# Altium PCB STM32MP15XXAC_1DDR3Lx16_A01.PcbDoc (part 2 of 3)
Units mm, origin at the board's own origin, x right, y up, seen from the top; angles counter-clockwise.
Board outline 89 x 120 mm, 4 copper layers (Top Layer, Signal Layer 1, Signal Layer 2, Bottom Layer), stack 1.571 mm thick; 133 components, 92 nets, 915 pads, 400 vias.
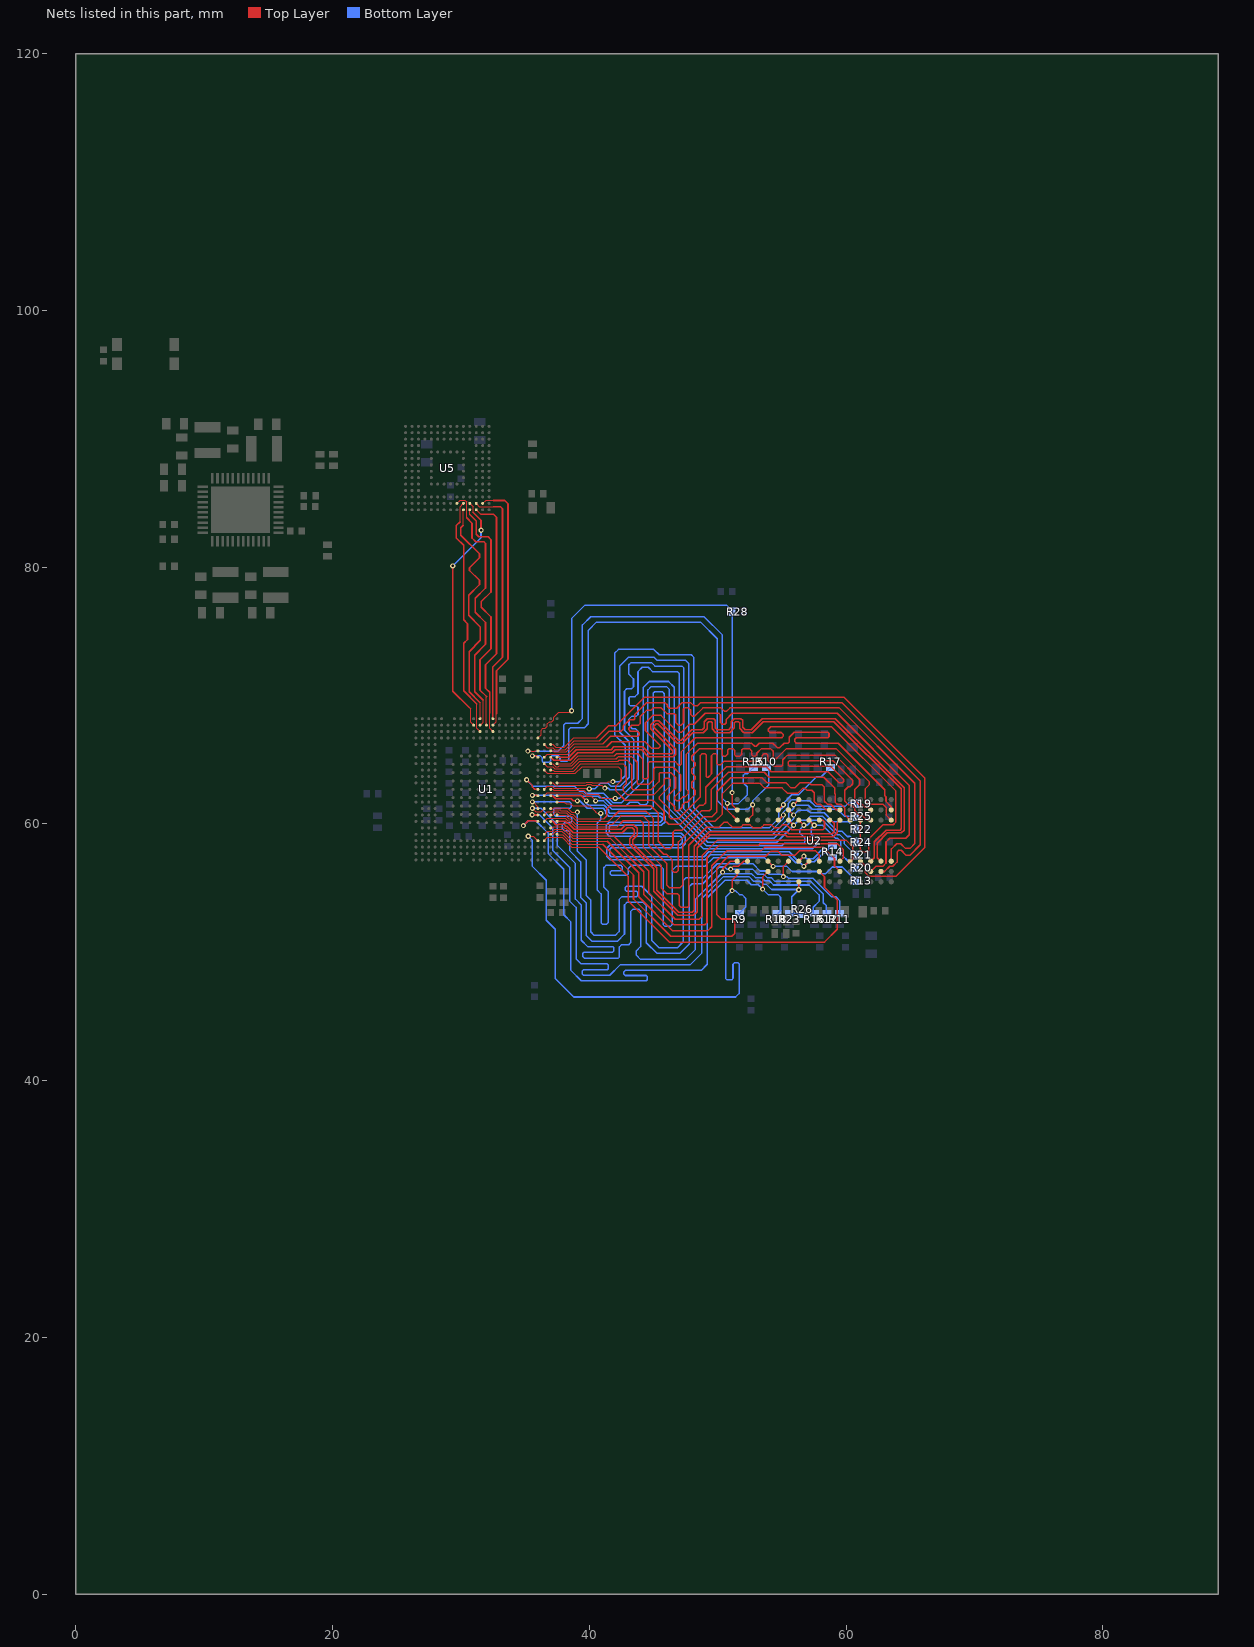
[diagram p4: the nets of this part, all layers, seen from the top]

## Via types
v1: diameter 0.4, hole 0.2, Top Layer to Bottom Layer, tented both sides, 241 vias
v2: diameter 0.6, hole 0.3, Top Layer to Bottom Layer, tented both sides, 81 vias
v3: diameter 0.25, hole 0.1, Top Layer to Signal Layer 1, tented top, 72 vias
v4: diameter 0.25, hole 0.1, Top Layer to Signal Layer 1, tented both sides, 6 vias

## Nets (pads, with @x,y where several pads share a name; then routed paths per layer and width w, separated by ;. In a path a pad name is that pad's centre, name@x,y a point inside that pad or via, vN(x,y) a via of type N, cw(c..) or ccw(c..) an arc to the next point about the centre after c; other vN are vias at no path point) (continued)
DDR_A8: R9.1 U1.Y20 U2.T8 | length 44.1
  Top Layer w0.09: v1(35.25,59.05) 35.65,59.05 U1.Y20@36,58.7
  Top Layer w0.12: v1(51.135,54.81) 51.135,55.634 51.525,56.024 U2.T8@51.525,56.3
  Bottom Layer w0.12: v1(35.25,59.05) 35.55,58.75 35.55,56.725 36.65,55.625 36.65,52.5 37.35,51.8 37.35,47.975 38.8,46.525 51.4,46.525 51.675,46.8 51.675,49.1 51.575,49.2 51.325,49.2 51.2,49.075 51.2,47.975 51.1,47.875 50.725,47.875 50.625,47.975 50.625,54.3 51.045,54.72 v1(51.135,54.81) 51.39,54.81 51.7,54.5 51.9,54.5 52.2,54.2 52.2,53.54 R9.1@51.705,53.045 R9.1@51.555,53.195
DDR_A9: R10.1 U1.G20 U2.R3 | length 47.2
  Top Layer w0.12: v1(35.575,65.3) 35.9,65.3 U1.G20@36,65.2 ; U2.R3@52.325,60.3 52.725,60.7 v1(52.725,61.5)
  Bottom Layer w0.12: v1(35.575,65.3) 36.2,65.3 36.325,65.175 36.325,64.9 36.4,64.825 36.9,64.825 37,64.925 37,65.225 37.1,65.325 37.6,65.325 37.725,65.2 37.725,64.975 37.825,64.875 38.25,64.875 38.4,65.025 38.4,67.35 38.55,67.5 39.625,67.5 39.925,67.8 39.925,75.075 40.575,75.725 48.675,75.725 49.975,74.425 49.975,61.825 50.65,61.15 52.375,61.15 v1(52.725,61.5) 52.725,61.79 54,63.065 54,64.2 R10.1@53.8,64.4
DDR_A10: R11.1 U1.R22 U2.L7 | length 49.9
  Top Layer w0.09: U1.R22@37,61.2 37.169,61.2 37.249,61.28 37.8,61.28 37.87,61.21 38.34,61.21 38.625,60.925 v1(39.075,60.925)
  Top Layer w0.12: v1(55.125,55.9) 55.125,56.7 U2.L7@55.525,57.1
  Bottom Layer w0.12: v1(39.075,60.925) 39.075,57.9 39.775,57.2 39.775,54.425 40.125,54.075 40.125,51.6 40.4,51.325 42.025,51.325 42.325,51.625 42.325,54.125 42.55,54.35 43.7,54.35 43.8,54.45 43.8,54.65 43.7,54.75 42.9,54.75 42.8,54.85 42.8,55.05 42.9,55.15 44.1,55.15 44.875,54.375 44.875,50.925 45.45,50.35 46.85,50.35 47.325,50.825 47.325,55.6 47.55,55.825 48.9,55.825 49.975,56.9 52.75,56.9 53.31,56.34 53.735,56.34 54,56.075 54.95,56.075 v1(55.125,55.9) 55.4,55.9 55.525,55.775 57.425,55.775 58.875,54.325 59.205,54.325 59.53,54 59.53,53.12 R11.1@59.455,53.045
DDR_A11: R12.1 U1.R20 U2.R7 | length 52.1
  Top Layer w0.09: v1(35.575,61.725) 35.636,61.725 36,61.361 U1.R20@36,61.2
  Top Layer w0.12: v1@51.015,56.42 v1@51.015,56.424 ; v1(51.015,56.49) 51.245,56.72 51.654,56.72 52.034,57.1 U2.R7@52.325,57.1
  Bottom Layer w0.12: v1(35.575,61.725) 38.475,61.725 38.6,61.6 38.6,61.325 38.5,61.225 37.325,61.225 37.225,61.125 37.225,60.775 37.4,60.6 38.525,60.6 38.65,60.475 38.65,60.2 38.55,60.1 38.075,60.1 37.9,59.925 37.9,59.65 38.075,59.475 38.375,59.475 38.5,59.35 38.5,57.9 39.35,57.05 39.35,54.275 39.775,53.85 39.775,51.325 40.225,50.875 42.2,50.875 42.75,51.425 42.75,53.7 42.95,53.9 44.2,53.9 44.45,53.65 44.45,50.75 45.275,49.925 47.075,49.925 47.8,50.65 47.8,55.125 48.025,55.35 48.85,55.35 50.15,56.65 50.55,56.65 50.71,56.49 v1(51.015,56.49) 52.71,56.49 53.125,56.075 53.6,56.075 53.85,55.825 54.175,55.825 54.475,55.525 57.25,55.525 58.23,54.545 58.23,53.87 58.455,53.645 R12.1@58.455,53.045
DDR_A12: R13.1 U1.P23 U2.N7 | length 51.2
  Top Layer w0.09: U1.P23@37.5,61.7 38.075,61.7 38.2,61.575 38.575,61.575 38.71,61.44 40.048,61.44 40.52,60.968 40.52,60.93 40.625,60.825 v1(40.9,60.825)
  Top Layer w0.12: U2.N7@53.925,57.1 v1(54.325,56.7)
  Bottom Layer w0.12: v1(40.9,60.825) 40.9,60.35 40.625,60.075 40.625,54.85 40.925,54.55 40.925,52.3 41.05,52.175 41.325,52.175 41.475,52.325 41.475,54.75 41.125,55.1 41.125,56.6 41.3,56.775 42.475,56.775 42.575,56.675 42.575,56.475 42.475,56.375 41.75,56.375 41.65,56.275 41.65,56.1 41.75,56 42.925,56 43.05,56.125 43.05,56.55 43.275,56.775 45.5,56.775 45.75,56.525 45.75,52.175 45.9,52.025 46.325,52.025 46.45,52.15 46.45,56.375 46.8,56.725 49.025,56.725 49.675,57.375 53.65,57.375 54.18,56.845 v1(54.325,56.7) 55.4,56.7 55.8,56.3 57.75,56.3 57.925,56.125 58.4,56.125 58.925,56.65 59.7,56.65 R13.1@60.755,55.595
DDR_A13: R15.1 U1.F20 U2.T3 | length 45.6
  Top Layer w0.09: v1(35.225,65.675) 35.25,65.7 35.437,65.7 35.482,65.655 35.768,65.655 35.813,65.7 U1.F20@36,65.7
  Top Layer w0.12: v1(50.765,61.61) 50.765,61.06 U2.T3@51.525,60.3
  Bottom Layer w0.09: v1(35.225,65.675) 35.245,65.655 35.92,65.655
  Bottom Layer w0.12: 35.92,65.655 37.555,65.655 38,66.1 38,67.7 38.15,67.85 39.1,67.85 39.475,68.225 39.475,75.5 40.125,76.15 48.95,76.15 50.35,74.75 50.35,62.025 v1(50.765,61.61) ; v1@50.665,61.59 51.625,61.59 52.3,62.265 52.3,62.9 52,63.2 52,63.8 52.1,63.9 52.3,63.9 R15.1@52.8,64.4
DDR_A14: R16.1 U1.R21 U2.T7 | length 54.1
  Top Layer w0.09: 35.725,61.075 35.85,60.95 36.25,60.95 U1.R21@36.5,61.2
  Top Layer w0.12: v1(50.395,56.25) 50.395,56.51 50.985,57.1 U2.T7@51.525,57.1
  Bottom Layer w0.12: v1(35.575,61.225) 36.25,61.225 37.525,59.95 37.525,58.325 38.925,56.925 38.925,54.15 39.375,53.7 39.375,50.95 39.875,50.45 41.85,50.45 41.925,50.375 41.925,50.125 41.825,50.025 39.6,50.025 39.5,49.925 39.5,49.675 39.625,49.55 42.25,49.55 42.35,49.65 42.35,50.425 42.525,50.6 43.075,50.6 43.225,50.75 43.225,53.175 43.425,53.375 43.85,53.375 44,53.225 44,50.45 43.675,50.125 43.675,49.775 44,49.45 47.5,49.45 48.275,50.225 48.275,54.13 v1(50.395,56.25) 50.52,56.125 52.65,56.125 52.95,55.825 53.425,55.825 53.675,55.575 54.025,55.575 54.35,55.25 57.125,55.25 57.905,54.47 57.905,53.97 57.455,53.52 R16.1@57.455,53.045
DDR_BA0: R17.1 U1.L23 U2.M2 | length 48
  Top Layer w0.09: U1.L23@37.5,63.2 39.697,63.2 39.762,63.265 40.188,63.265 40.253,63.2 41.4,63.2 41.5,63.3 v1(41.85,63.3)
  Top Layer w0.12: U2.M2@54.725,61.1 v1(55.125,61.5)
  Bottom Layer w0.12: v1(41.85,63.3) 42.35,63.3 42.8,63.75 42.8,66.125 41.975,66.95 41.975,73.3 42.275,73.6 45.025,73.6 45.45,73.175 47.95,73.175 48.125,73 48.125,61.3 49.7,59.725 54.05,59.725 54.75,60.425 54.75,60.975 55.125,61.35 v1(55.125,61.5) 55.125,61.625 55.775,62.275 56.3,62.275 57.7,63.675 58.075,63.675 R17.1@58.8,64.4
DDR_BA1: R18.1 U1.U20 U2.N8 | length 45.5
  Top Layer w0.12: v1(34.875,59.875) 35.26,60.26 35.749,60.26 35.809,60.2 U1.U20@36,60.2 ; v1@53.505,54.939 53.505,55.88 U2.N8@53.925,56.3
  Bottom Layer w0.12: v1(34.875,59.875) 35.26,60.26 35.84,60.26 36.8,59.3 36.8,57.7 38.025,56.475 38.025,52.925 38.575,52.375 38.575,48.6 39.375,47.8 44.45,47.8 44.525,47.875 44.525,48.125 44.45,48.2 42.8,48.2 42.7,48.3 42.7,48.5 42.8,48.6 48.725,48.6 49.2,49.075 49.2,54.25 50.575,55.625 52.275,55.625 52.625,55.275 53.16,55.275 v1(53.505,54.93) 53.935,54.5 54.7,54.5 54.9,54.3 54.9,53.24 R18.1@54.705,53.045
DDR_BA2: R19.1 U1.M21 U2.M3 | length 49.6
  Top Layer w0.09: U1.M21@36.5,62.7 36.75,62.95 37.135,62.95 37.295,62.79 39.885,62.79 39.95,62.725 v1@40,62.725
  Top Layer w0.12: U2.M3@54.725,60.3 v1@55.105,60.68
  Bottom Layer w0.12: v1(40,62.735) 40.435,62.735 40.875,63.175 41.466,63.175 41.701,62.94 41.999,62.94 42.005,62.945 ; 42,62.95 42.425,62.95 43.125,63.65 43.125,66.4 42.375,67.15 42.375,72.3 43.075,73 45.025,73 45.275,72.75 47.5,72.75 47.75,72.5 47.75,61.225 49.55,59.425 54.125,59.425 55.125,60.425 v1(55.125,60.7) 55.125,60.925 55.5,61.3 55.5,61.6 55.8,61.9 56.1,61.9 56.18,61.82 57.18,61.82 57.6,61.4 59.955,61.4 60.225,61.67 60.68,61.67 R19.1@60.755,61.595
DDR_CASN: R21.1 U1.N20 U2.K3 | length 49.6
  Top Layer w0.09: v1(35.575,62.225) v1@35.6,62.2
  Top Layer w0.12: v1(35.575,62.225) 35.975,62.225 U1.N20@36,62.2 ; U2.K3@56.325,60.3 v1(56.725,59.9)
  Bottom Layer w0.12: v1(35.575,62.225) 39.375,62.225 39.435,62.165 40.71,62.165 40.825,62.05 41.169,62.05 41.794,61.425 42.875,61.425 43.15,61.7 43.8,61.7 44,61.5 44.4,61.5 44.575,61.675 44.575,70.441 44.834,70.7 46.016,70.7 46.25,70.466 46.25,61.175 49.125,58.3 55,58.3 55.2,58.5 56.7,58.5 56.8,58.6 56.8,58.9 56.4,59.3 56.4,59.575 v1(56.725,59.9) 56.975,59.9 57.375,60.3 58.175,60.3 59.325,59.15 59.53,59.15 59.88,58.8 59.88,58.445 60.73,57.595 R21.1@60.755,57.595
DDR_CKE: R23.1 R26.2 U1.T20 U2.K9 | length 45.4
  Top Layer w0.12: v1(35.55,60.725) 35.575,60.7 U1.T20@36,60.7 ; v1(56.325,54.88) U2.K9@56.325,55.5
  Bottom Layer w0.12: v1(35.55,60.725) 36.125,60.725 37.15,59.7 37.15,57.95 38.475,56.625 38.475,54 38.975,53.5 38.975,49.5 39.35,49.125 41.375,49.125 41.475,49.025 41.475,48.725 41.4,48.65 39.55,48.65 39.45,48.55 39.45,48.325 39.55,48.225 41.6,48.225 42.4,49.025 47.85,49.025 48.775,49.95 48.775,54.225 50.425,55.875 52.475,55.875 52.8,55.55 53.325,55.55 53.55,55.325 53.775,55.325 54.2,54.9 56.305,54.9 v1(56.325,54.88) 55.78,54.335 R23.1@55.78,53.045 ; R23.1@55.705,53.045 R23.1@55.78,53.045 ; R26.2@56.58,52.92 56.455,53.045 R23.1@55.78,53.045
DDR_CLK_N: R14.2 U1.N23 U2.K7 | length 46.7
  Top Layer w0.1: U1.N23@37.5,62.2 39.375,62.2 v1(39.775,61.8) ; U2.K7@56.325,57.1 v1(56.725,57.5)
  Bottom Layer w0.1: v1(39.775,61.8) 39.775,61.625 39.95,61.45 41.17,61.45 41.53,61.09 41.53,60.92 41.6,60.85 45.625,60.85 45.905,60.57 45.905,60.18 45.62,59.895 41.645,59.895 41.555,59.805 41.555,59.395 41.675,59.275 47.175,59.275 47.475,58.975 47.475,58.45 47.175,58.15 41.725,58.15 41.605,58.03 41.605,57.57 41.725,57.45 48.95,57.45 49.325,57.825 55.575,57.825 56.175,57.225 56.45,57.225 56.65,57.425 v1(56.725,57.5) 56.94,57.285 57.435,57.285 58.125,57.975 58.56,57.975 58.88,58.295 R14.2@58.955,58.295
DDR_CLK_P: R14.1 U1.N22 U2.J7 | length 47.3
  Top Layer w0.1: U1.N22@37,62.2 37.15,62.2 37.4,61.95 37.605,61.95 37.625,61.97 38.605,61.97 38.775,61.8 v1(39.075,61.8) ; v1(56.725,56.7) U2.J7@57.125,57.1
  Bottom Layer w0.1: v1(39.075,61.8) 39.275,61.8 39.855,61.22 41.075,61.22 41.3,60.995 41.3,60.825 41.505,60.62 45.53,60.62 45.675,60.475 45.675,60.275 45.525,60.125 41.55,60.125 41.325,59.9 41.325,59.3 41.58,59.045 47.08,59.045 47.245,58.88 47.245,58.545 47.08,58.38 41.63,58.38 41.375,58.125 41.375,57.475 41.63,57.22 49.045,57.22 49.42,57.595 55.48,57.595 56.1,56.975 56.45,56.975 56.58,56.845 v1(56.725,56.7) 57.08,57.055 57.53,57.055 58.215,57.74 58.56,57.74 58.905,57.395 R14.1@58.955,57.395
DDR_CSN: R22.1 U1.M22 U2.L2 | length 49.2
  Top Layer w0.09: U1.M22@37,62.7 37.145,62.7 37.225,62.62 39.567,62.62 39.857,62.33 40.695,62.33 41.025,62 v1(42.025,62)
  Top Layer w0.12: U2.L2@55.525,61.1 v1(55.925,60.7)
  Bottom Layer w0.12: v1(42.025,62) 42.35,62 43.8,63.45 43.8,67.225 43.6,67.425 43.35,67.425 43.1,67.675 43.1,68.175 43.3,68.375 43.65,68.375 43.8,68.525 43.8,69.075 43.675,69.2 43.225,69.2 43.1,69.325 43.1,69.825 43.2,69.925 43.575,69.925 43.8,70.15 43.8,71.875 44.125,72.2 44.6,72.2 44.925,71.875 46.85,71.875 47.025,71.7 47.025,61.125 49.275,58.875 54.375,58.875 55.925,60.425 v1(55.925,60.7) 56.3,61.075 57.025,61.075 57.225,60.875 58.3,60.875 58.987,60.187 60.162,60.187 R22.1@60.755,59.595
DDR_DQ0: U1.E22 U2.D7 | length 45.6
  Top Layer w0.09: U1.E22@37,66.2 37.15,66.2 37.39,65.96 38.06,65.96 38.8,66.7 40.55,66.7
  Top Layer w0.12: 40.55,66.7 41.51,67.66 42.085,67.66 44.305,69.88 59.837,69.88 66.15,63.567 66.15,58.196 63.874,55.92 61.796,55.92 61.503,56.213 61.503,56.744 61.148,57.1 U2.D7@61.125,57.1
DDR_DQ1: U1.F22 U2.A7 | length 45.3
  Top Layer w0.09: U1.F22@37,65.7 37.169,65.7 37.249,65.62 38.22,65.62 38.85,66.25 41.075,66.25
  Top Layer w0.12: 41.075,66.25 41.645,66.82 43.795,66.82 43.9,66.925 43.9,67.064 43.739,67.225 43.2,67.225 43.075,67.35 43.075,67.456 43.319,67.7 43.84,67.7 43.965,67.825 43.965,68.346 44.494,68.875 44.825,68.875 44.99,69.04 45.609,69.04 46.049,68.6 46.65,68.6 46.749,68.501 46.749,67.9 46.975,67.675 47.134,67.675 47.342,67.883 47.342,68.958 47.424,69.04 47.725,69.04 47.9,68.865 47.9,68.525 48.023,68.402 48.223,68.402 48.861,69.04 50.274,69.04 50.519,68.794 50.721,68.794 50.966,69.04 59.489,69.04 65.355,63.174 65.355,58.48 64.975,58.1 64.635,58.1 64.265,58.47 63.945,58.47 63.535,58.06 U2.A7@63.535,57.1
DDR_DQ2: U1.H21 U2.A3 | length 45.7
  Top Layer w0.09: U1.H21@36.5,64.7 36.75,64.45 37.17,64.45 37.33,64.29 38.69,64.29 39.275,64.875 42.225,64.875
  Top Layer w0.12: 42.225,64.875 42.325,64.975 42.936,64.975 43.32,64.591 43.32,62.775 43.41,62.685 44.823,62.685 45.44,63.302 45.44,63.91 45.525,63.995 46.374,63.995 46.72,63.649 46.72,62.776 46.097,62.153 46.097,61.91 46.665,61.342 46.665,61.1 46.74,61.025 46.968,61.025 47.243,61.3 47.243,61.474 47.459,61.691 47.634,61.691 48.24,62.297 48.24,62.625 47.995,62.87 47.995,63.25 48.24,63.495 48.24,63.725 47.995,63.97 47.995,64.275 48.24,64.52 48.24,64.755 47.995,65 47.995,65.269 48.601,65.875 50.25,65.875 50.37,65.755 50.37,65.37 50.45,65.29 50.64,65.29 50.775,65.425 50.775,65.75 50.9,65.875 51.2,65.875 51.325,65.75 51.325,65.39 51.425,65.29 51.74,65.29 51.875,65.425 51.875,65.775 51.975,65.875 52.475,65.875 52.65,65.7 52.65,65.4 52.76,65.29 52.95,65.29 53.055,65.395 53.055,65.504 53.426,65.875 54.125,65.875 54.325,65.675 54.325,65.175 54.4,65.1 54.587,65.1 55.362,65.875 59.231,65.875 61.8,63.306 61.8,63.04 61.485,62.725 61.485,61.831 61.776,61.54 62.887,61.54 63.125,61.302 63.125,60.7 U2.A3@63.525,60.3
DDR_DQ3: U1.E21 U2.B8 | length 44.1
  Top Layer w0.09: U1.E21@36.5,66.2 36.75,65.95 37.16,65.95 37.32,65.79 38.14,65.79 38.825,66.475 40.8,66.475
  Top Layer w0.12: 40.8,66.475 41.565,67.24 42.495,67.24 42.655,67.4 42.655,67.63 43.15,68.125 43.47,68.125 43.545,68.2 43.545,68.52 44.485,69.46 45.9,69.46 46.075,69.285 46.075,69.168 46.223,69.02 46.81,69.02 47.25,69.46 47.899,69.46 48.154,69.204 48.431,69.204 48.687,69.46 59.663,69.46 65.775,63.348 65.775,58.375 64.975,57.575 64.675,57.575 64.3,57.95 64.1,57.95 63.975,57.825 63.975,57.041 63.644,56.71 63.415,56.71 63.005,56.3 U2.B8@62.725,56.3
DDR_DQ4: U1.J21 U2.C3 | length 46.2
  Top Layer w0.09: U1.J21@36.5,64.2 36.75,63.95 38.925,63.95 39.45,64.475 42.248,64.475 42.48,64.243
  Top Layer w0.12: 42.48,64.243 42.48,63.355 42.05,62.925 42.05,62.6 42.805,61.845 44.974,61.845 45.825,60.994 45.825,60.351 46.201,59.975 47.106,59.975 48.576,61.445 48.87,61.445 49.08,61.655 49.08,62.858 50.67,64.448 51.95,64.448 ; 51.95,64.45 53.801,64.45 54.181,64.07 58.605,64.07 59.475,63.2 59.7,63.2 59.825,63.325 59.825,63.475 58.8,64.5 55.6,64.5 55.5,64.6 55.5,64.825 55.6,64.925 58.993,64.925 60.534,63.384 60.534,63.133 60.311,62.91 60.176,62.91 59.9,62.634 59.9,61.785 60.2,61.485 60.449,61.485 60.685,61.249 60.685,61.031 61.056,60.66 61.274,60.66 61.485,60.449 61.485,60.44 61.494,60.44 61.634,60.3 U2.C3@61.925,60.3
DDR_DQ5: U1.J22 U2.C2 | length 45.2
  Top Layer w0.09: U1.J22@37,64.2 37.18,64.2 37.26,64.12 38.795,64.12 39.35,64.675 42.642,64.675 42.775,64.542
  Top Layer w0.12: 42.775,64.542 42.9,64.417 42.9,63.181 42.634,62.916 42.634,62.609 42.979,62.265 44.997,62.265 45.86,63.128 45.86,63.485 45.95,63.575 46.2,63.575 46.3,63.475 46.3,62.95 45.444,62.094 45.444,61.969 46.245,61.168 46.245,60.525 46.375,60.395 46.932,60.395 48.66,62.123 48.66,65.34 48.775,65.455 49.02,65.455 49.1,65.375 49.1,63.725 49.189,63.636 49.264,63.636 ; 49.275,63.647 49.525,63.897 49.525,65.33 49.65,65.455 49.87,65.455 49.95,65.375 49.95,64.7 50.025,64.625 50.253,64.625 50.498,64.87 53.325,64.87 53.475,65.02 53.475,65.33 53.6,65.455 53.825,65.455 53.905,65.375 53.905,64.94 54.355,64.49 54.975,64.49 55.08,64.595 55.08,64.999 55.451,65.37 59.142,65.37 61.065,63.447 61.065,63.07 60.695,62.7 60.695,61.821 60.976,61.54 61.23,61.54 61.23,61.535 61.445,61.32 61.705,61.32 U2.C2@61.925,61.1
DDR_DQ6: U1.H22 U2.A2 | length 46.3
  Top Layer w0.09: U1.H22@37,64.7 37.161,64.7 37.401,64.46 37.599,64.46 37.669,64.53 38.655,64.53 39.2,65.075 42.1,65.075
  Top Layer w0.12: 42.1,65.075 42.25,65.225 43.325,65.225 43.74,64.81 43.74,63.19 43.825,63.105 44.649,63.105 45.02,63.476 45.02,64.285 45.15,64.415 46.548,64.415 47.14,63.823 47.14,62.602 46.675,62.138 46.675,61.925 46.776,61.825 47,61.825 47.288,62.112 47.462,62.112 47.723,62.374 47.723,62.548 47.575,62.696 47.575,65.443 48.427,66.295 52.649,66.295 52.894,66.05 53.007,66.05 53.252,66.295 54.299,66.295 54.644,65.95 54.843,65.95 55.188,66.295 55.475,66.295 55.575,66.395 55.575,66.75 55.975,67.15 58.6,67.15 58.675,67.075 58.675,66.8 58.6,66.725 56.125,66.725 56,66.6 56,66.425 56.13,66.295 59.405,66.295 63.025,62.675 63.025,62.2 63.115,62.11 63.115,61.76 63.525,61.35 U2.A2@63.525,61.1
DDR_DQ7: U1.G21 U2.C8 | length 46.6
  Top Layer w0.09: U1.G21@36.5,65.2 36.74,65.44 38.315,65.44 38.9,66.025 41.375,66.025
  Top Layer w0.12: 41.375,66.025 41.75,66.4 44.355,66.4 44.87,65.885 45.375,65.885 45.535,66.045 45.535,66.11 44.385,67.26 44.385,67.885 44.955,68.455 45.6,68.455 46.894,67.161 47.214,67.161 47.818,67.765 48.18,67.765 49.035,68.62 50.1,68.62 50.225,68.495 50.225,67.9 50.36,67.765 50.55,67.765 50.665,67.88 50.665,68.145 51.14,68.62 59.315,68.62 64.935,63 64.935,59.17 64.655,58.89 63.4,58.89 63.115,58.605 63.115,56.96 62.855,56.7 62.325,56.7 U2.C8@61.925,56.3
DDR_DQ8: U1.T21 U2.E3 | length 34.2
  Top Layer w0.09: U1.T21@36.5,60.7 36.75,60.95 37.16,60.95 37.32,61.11 37.73,61.11 37.8,61.04 38.27,61.04 38.555,60.755 38.72,60.755 39.075,60.4 41.15,60.4
  Top Layer w0.12: 41.15,60.4 41.375,60.625 41.375,61.175 41.625,61.425 44.8,61.425 45.375,60.85 45.375,58.65 45.95,58.075 46.3,58.075 46.525,58.3 46.525,59.375 46.675,59.525 47.25,59.525 48.75,61.025 49.35,61.025 49.5,61.175 49.5,62.684 50.844,64.028 53.628,64.028 54.007,63.65 58.27,63.65 59.12,62.8 59.12,62.39 59.145,62.365 59.145,61.71 59.315,61.54 59.609,61.54 59.915,61.234 59.915,60.71 U2.E3@60.325,60.3
DDR_DQ9: U1.U21 U2.H3 | length 35
  Top Layer w0.09: U1.U21@36.5,60.2 36.75,60.45 38.138,60.45 38.343,60.245 38.465,60.245 38.91,59.8 42.2,59.8
  Top Layer w0.12: 42.2,59.8 42.65,60.25 44,60.25 44.225,60.025 44.225,58.175 45.625,56.775 45.625,55 46.075,54.55 46.9,54.55 47,54.45 47,53.675 47.15,53.525 47.675,53.525 47.75,53.6 47.75,58.35 49.15,59.75 50.1,59.75 50.475,60.125 50.775,60.125 51.15,59.75 51.8,59.75 51.979,59.929 52.525,59.929 52.729,59.725 53.4,59.725 53.604,59.929 54.2,59.929 54.404,59.725 54.85,59.725 55.054,59.929 55.387,59.929 55.776,59.54 58.19,59.54 58.325,59.675 58.325,60.175 58.225,60.275 57.95,60.275 U2.H3@57.925,60.3
DDR_DQ10: U1.T22 U2.F2 | length 34.1
  Top Layer w0.09: U1.T22@37,60.7 37.15,60.7 37.39,60.94 37.599,60.94 37.669,60.87 38.199,60.87 38.484,60.585 38.64,60.585 39.025,60.2 41.5,60.2
  Top Layer w0.12: 41.5,60.2 42.3,61 44.425,61 45,60.425 45,58.45 45.8,57.65 46.025,57.65 46.45,57.225 46.45,56.4 46.6,56.25 46.8,56.25 46.95,56.4 46.95,58.6 48.925,60.575 49.575,60.575 49.925,60.925 49.925,62.515 51.015,63.605 53.451,63.605 ; 53.454,63.608 53.833,63.23 55.305,63.23 55.725,62.81 56.015,62.81 56.4,63.195 57.154,63.195 57.299,63.05 58.139,63.05 58.315,62.874 58.315,61.77 58.555,61.53 58.819,61.53 59.249,61.1 U2.F2@59.525,61.1
DDR_DQ11: U1.W21 U2.F7 | length 34.4
  Top Layer w0.09: U1.W21@36.5,59.2 36.75,59.45 37.16,59.45 37.32,59.61 37.918,59.61 38.033,59.495 38.08,59.495 38.7,58.875 41.65,58.875
  Top Layer w0.12: 41.65,58.875 44.25,56.275 44.25,54.5 46.6,52.15 49,52.15 49.175,52.325 49.175,57.425 50.08,58.33 53.165,58.33 53.295,58.46 59.34,58.46 59.775,58.025 59.775,57.35 U2.F7@59.525,57.1
DDR_DQ12: U1.W23 U2.H7 | length 33.9
  Top Layer w0.09: U1.W23@37.5,59.2 37.545,59.155 37.92,59.155 38.65,58.425 41.05,58.425
  Top Layer w0.12: 41.05,58.425 43.45,56.025 43.45,54.15 46.35,51.25 51.1,51.25 51.35,51.5 51.35,52.35 51.1,52.6 50.275,52.6 49.925,52.95 49.925,56.575 50.835,57.485 53.75,57.485 54.125,57.86 54.725,57.86 55.015,57.57 56.035,57.57 56.368,57.903 57.652,57.903 57.925,57.58 U2.H7@57.925,57.1
DDR_DQ13: U1.T23 U2.G2 | length 33.9
  Top Layer w0.09: U1.T23@37.5,60.7 38.129,60.7 38.414,60.415 38.535,60.415 38.95,60 41.85,60
  Top Layer w0.12: 41.85,60 42.475,60.625 44.2,60.625 44.625,60.2 44.625,58.35 46.025,56.95 46.025,55.275 46.275,55.025 47.05,55.025 47.3,55.275 47.3,58.425 49.1,60.225 49.825,60.225 50.345,60.745 50.345,62.341 51.189,63.185 53.284,63.185 53.659,62.81 55.023,62.81 55.455,62.378 56.218,62.378 56.615,62.775 56.825,62.775 56.97,62.63 57.335,62.63 57.535,62.43 57.535,61.75 57.745,61.54 58.015,61.54 58.455,61.1 U2.G2@58.725,61.1
DDR_DQ14: U1.W22 U2.F8 | length 33.5
  Top Layer w0.09: U1.W22@37,59.2 37.161,59.2 37.401,59.44 37.847,59.44 37.962,59.325 38,59.325 38.675,58.65 41.4,58.65
  Top Layer w0.12: 41.4,58.65 43.85,56.2 43.85,54.325 46.475,51.7 49.25,51.7 49.55,52 49.55,56.75 50.705,57.905 53.38,57.905 53.65,58.175 58.25,58.175 59.105,57.32 59.105,56.72 U2.F8@59.525,56.3
DDR_DQ15: U1.Y21 U2.H8 | length 32.9
  Top Layer w0.09: U1.Y21@36.5,58.7 36.75,58.95 37.885,58.95 38.635,58.2 40.625,58.2
  Top Layer w0.12: 40.625,58.2 40.75,58.2 43.05,55.9 43.05,53.975 46.225,50.8 58.325,50.8 59.325,51.8 59.325,54.08 58.325,55.08 58.325,55.9 U2.H8@57.925,56.3
DDR_DQM0: U1.H23 U2.D3 | length 45.1
  Top Layer w0.09: U1.H23@37.5,64.7 38.55,64.7 39.15,65.3 41.95,65.3
  Top Layer w0.12: 41.95,65.3 42.125,65.475 43.775,65.475 44.16,65.09 44.16,63.615 44.25,63.525 44.475,63.525 44.6,63.65 44.6,64.75 44.685,64.835 46.722,64.835 46.982,64.575 47.08,64.575 47.155,64.65 47.155,65.617 48.253,66.715 54.99,66.715 55.125,66.85 55.125,66.95 54.95,67.125 54.075,67.125 53.95,67.25 53.95,67.375 54.145,67.57 58.88,67.57 63.885,62.565 63.885,60.151 63.674,59.94 62.874,59.94 61.775,58.841 61.775,57.95 61.675,57.85 61.3,57.85 61.125,58.025 U2.D3@61.125,60.3 ; U2.D3@61.105,60.343 U2.D3@61.128,60.32
DDR_DQM1: U1.V22 U2.E7 | length 34.3
  Top Layer w0.09: U1.V22@37,59.7 37.169,59.7 37.249,59.78 37.988,59.78 38.103,59.665 38.16,59.665 38.725,59.1 41.875,59.1
  Top Layer w0.12: 41.875,59.1 44.65,56.325 44.65,54.625 46.7,52.575 48.55,52.575 48.8,52.825 48.8,57.55 50,58.75 60,58.75 60.525,58.225 60.525,57.3 U2.E7@60.325,57.1
DDR_DQS0_N: U1.G23 U2.B7 | length 45.8
  Top Layer w0.1: U1.G23@37.5,65.2 38.4,65.2 38.98,65.78 41.705,65.78 41.93,66.005 44.17,66.005 44.7,65.475 46.445,65.475 46.515,65.545 46.515,65.71 44.795,67.43 44.795,67.715 45.125,68.045 45.43,68.045 46.945,66.53 47.163,66.53 47.988,67.355 48.805,67.355 48.945,67.495 48.945,67.95 49.205,68.21 49.7,68.21 49.815,68.095 49.815,67.51 49.97,67.355 50.85,67.355 51.075,67.58 51.075,67.975 51.31,68.21 51.815,68.21 51.95,68.075 51.95,67.55 52.145,67.355 52.605,67.355 53.46,68.21 59.145,68.21 64.525,62.83 64.525,59.52 64.305,59.3 63.23,59.3 62.445,58.515 62.445,57.38 U2.B7@62.725,57.1
DDR_DQS0_P: U1.G22 U2.C7 | length 45.9
  Top Layer w0.1: U1.G22@37,65.2 37.25,64.95 37.655,64.95 37.675,64.97 38.52,64.97 39.1,65.55 41.8,65.55 42.025,65.775 44.075,65.775 44.605,65.245 46.54,65.245 46.745,65.45 46.745,65.805 45.025,67.525 45.025,67.62 45.22,67.815 45.335,67.815 46.85,66.3 47.258,66.3 48.083,67.125 48.9,67.125 49.175,67.4 49.175,67.855 49.3,67.98 49.5,67.98 49.58,67.9 49.585,67.9 49.585,67.415 49.875,67.125 50.945,67.125 51.305,67.485 51.305,67.88 51.405,67.98 51.625,67.98 51.72,67.885 51.72,67.455 52.05,67.125 52.7,67.125 53.555,67.98 59.05,67.98 64.295,62.735 64.295,59.615 64.21,59.53 63.135,59.53 62.215,58.61 62.215,57.39 U2.C7@61.925,57.1
DDR_DQS1_N: U1.U23 U2.G3 | length 33.8
  Top Layer w0.1: U1.U23@37.5,60.2 38.141,60.2 38.271,60.07 38.355,60.07 38.85,59.575 42.5,59.575 42.855,59.93 43.445,59.93 43.725,59.65 43.725,59.125 43.375,58.775 43.375,58.475 45.25,56.6 45.25,54.85 46.975,53.125 48.025,53.125 48.175,53.275 48.175,58.25 49.33,59.405 55.37,59.405 55.525,59.25 58.925,59.25 59.075,59.4 59.075,60.05 58.825,60.3 U2.G3@58.725,60.3
DDR_DQS1_P: U1.U22 U2.F3 | length 34.6
  Top Layer w0.1: U1.U22@37,60.2 37.154,60.2 37.399,59.955 37.601,59.955 37.616,59.97 38.046,59.97 38.176,59.84 38.26,59.84 38.775,59.325 42.575,59.325 42.95,59.7 43.35,59.7 43.495,59.555 43.495,59.22 43.145,58.87 43.145,58.38 45.02,56.505 45.02,54.755 46.88,52.895 48.12,52.895 48.405,53.18 48.405,58.155 49.425,59.175 55.275,59.175 55.43,59.02 59.02,59.02 59.305,59.305 59.305,60.08 U2.F3@59.525,60.3
DDR_ODT: R25.1 U1.L22 U2.K1 | length 49
  Top Layer w0.09: U1.L22@37,63.2 37.161,63.2 37.401,62.96 37.599,62.96 37.602,62.963 37.605,62.96 37.675,63.03 39.767,63.03 39.832,63.095 40.118,63.095 40.183,63.03 40.995,63.03 v1(41.225,62.8)
  Top Layer w0.12: v1(55.925,61.5) U2.K1@56.325,61.9
  Bottom Layer w0.12: v1(41.225,62.8) 41.475,62.8 41.6,62.675 42.6,62.675 43.475,63.55 43.475,66.575 42.75,67.3 42.75,70.35 42.925,70.525 43.3,70.525 43.45,70.675 43.45,71.3 43.075,71.675 43.075,72.4 43.25,72.575 44.85,72.575 45.125,72.3 47.225,72.3 47.375,72.15 47.375,61.175 49.4,59.15 54.25,59.15 55.525,60.425 55.525,60.825 55.925,61.225 v1(55.925,61.5) 55.967,61.457 57.068,61.457 57.375,61.15 59.325,61.15 59.88,60.595 R25.1@60.755,60.595
DDR_RASN: R20.1 U1.N21 U2.J3 | length 49
  Top Layer w0.09: U1.N21@36.5,62.2 36.75,62.45 39.45,62.45 39.75,62.15 40.15,62.15 v1(40.5,61.8)
  Top Layer w0.1: U2.J3@57.105,60.314 U2.J3@57.106,60.312
  Top Layer w0.12: U2.J3@57.125,60.3 v1(57.525,59.9)
  Bottom Layer w0.12: v1(40.5,61.8) 41.122,61.8 41.772,61.15 44.775,61.15 44.975,61.35 44.975,70.175 45.1,70.3 45.7,70.3 45.85,70.15 45.85,61.125 48.9,58.075 57.375,58.075 57.8,58.5 57.8,58.9 57.7,59 57.5,59 57.3,59.2 57.3,59.675 v1(57.525,59.9) 58.175,59.9 59.2,58.875 59.355,58.875 59.58,58.65 59.58,57.695 60.33,56.945 60.455,56.945 60.755,56.645 R20.1@60.755,56.595
DDR_RESETN: R28.2 U1.D20 U2.T2 | length 39.9
  Top Layer w0.09: U1.D20@36,66.7 36.25,66.95 36.25,67.3 36.4,67.45 36.589,67.45 36.75,67.611 36.75,67.789 36.911,67.95 37.089,67.95 37.25,68.111 37.25,68.325 37.645,68.72 38.52,68.72 v1(38.625,68.825)
  Top Layer w0.12: v1(51.125,62.44) 51.125,61.5 U2.T2@51.525,61.1
  Bottom Layer w0.12: v1(38.625,68.825) 38.625,76 39.675,77.05 50.7,77.05 51.125,76.625 R28.2@51.125,76.55 51.125,66.525 v1(51.125,62.44)
DDR_WEN: R24.1 U1.M20 U2.L3 | length 48.8
  Top Layer w0.12: v1(35.125,63.45) 35.575,63 35.575,62.875 35.75,62.7 U1.M20@36,62.7 ; U2.L3@55.525,60.3 v1(55.925,59.9)
  Bottom Layer w0.12: v1(35.125,63.45) 35.65,62.925 38.875,62.925 39.25,62.55 39.55,62.55 39.725,62.375 40.159,62.375 40.169,62.385 41.131,62.385 41.876,61.64 42.49,61.64 44.2,63.35 44.2,70.631 44.669,71.1 46.181,71.1 46.625,70.656 46.625,61.175 49.225,58.575 54.6,58.575 v1(55.925,59.9) 56.325,60.3 56.95,60.3 57.245,60.595 58.18,60.595 59.325,59.45 59.675,59.45 60.1,59.025 60.325,59.025 R24.1@60.755,58.595
eMMC_SDIO2_D0: U1.C13 U5.A3 | length 19.1
  Top Layer w0.09: U5.A3@31.2,84.475 31.55,84.125 ; 32.25,68.625 32.25,67.45 U1.C13@32.5,67.2
  Top Layer w0.13: 31.55,84.125 32.55,84.125 32.775,83.9 32.775,73.25 31.925,72.4 31.925,70.575 32.25,70.25 32.25,68.625
eMMC_SDIO2_D1: U1.B12 U5.A4 | length 19.1
  Top Layer w0.09: 30.7,84.1 U5.A4@30.7,84.475 ; U1.B12@32,67.7 32,69.925
  Top Layer w0.13: 30.7,84.1 31.2,83.6 31.2,82.575 31.4,82.375 32.125,82.375 32.35,82.15 32.35,78.075 31.6,77.325 31.6,76.875 32.35,76.125 32.35,73.65 31.5,72.8 31.5,70.425 32,69.925
eMMC_SDIO2_D2: U1.A11 U5.A5 | length 19
  Top Layer w0.09: 30.2,83.275 U5.A5@30.2,84.475 ; U1.A11@31.5,68.2 31.5,69.45
  Top Layer w0.13: 30.2,83.275 30,83.075 30,82.5 31.45,81.05 31.45,80.725 30.675,79.95 30.675,79.75 31.45,78.975 31.45,78.65 30.625,77.825 30.625,76.25 31.525,75.35 31.525,74.3 30.65,73.425 30.65,70.3 31.5,69.45
eMMC_SDIO2_D3: U1.B13 U5.B2 | length 19.9
  Top Layer w0.09: U5.B2@31.7,84.975 31.725,84.975 31.965,85.215 32.51,85.215 32.525,85.2 ; U1.B13@32.5,67.7 32.75,67.95 32.75,68.6 ; 33.4,85.2 33.425,85.2
  Top Layer w0.13: 32.525,85.2 33.4,85.2 ; 32.775,68.6 32.775,71.941 33.675,72.841 33.675,84.95 33.425,85.2
eMMC_SDIO2_D4: U1.A13 U5.B3 | length 18.9
  Top Layer w0.09: U5.B3@31.2,84.975 31.2,84.965 31.45,84.715 32.515,84.715
  Top Layer w0.13: U1.A13@32.5,68.2 32.5,72.25 33.25,73 33.25,84.55 33.085,84.715 32.515,84.715
eMMC_SDIO2_D5: U1.B10 U5.B4 | length 19.2
  Top Layer w0.09: 30.65,69.075 30.76,68.965 30.76,67.94 U1.B10@31,67.7 ; U5.B4@30.7,84.975 30.95,84.725 30.95,84.275
  Top Layer w0.13: v1(29.375,80.1) 29.375,70.35 30.65,69.075 ; 30.95,84.275 31.575,83.65 v1(31.575,82.875)
  Bottom Layer w0.13: v1(29.375,80.1) 31.575,82.3 v1(31.575,82.875)
eMMC_SDIO2_D6: U1.C11 U5.B5 | length 19
  Top Layer w0.09: 29.95,83.55 29.95,84.725 U5.B5@30.2,84.975 U5.B5@30.2,84.965 ; 31.25,69.35 31.25,67.45 U1.C11@31.5,67.2
  Top Layer w0.13: 29.95,83.55 29.65,83.25 29.65,82.275 30.225,81.7 30.225,75.9 30.525,75.6 30.525,74.375 30.225,74.075 30.225,70.375 31.25,69.35
eMMC_SDIO2_D7: U1.B11 U5.B6 | length 20.7
  Top Layer w0.09: U5.B6@29.7,84.975 29.95,85.225 30.325,85.225 30.45,85.1 30.45,83.85 ; U1.B11@31.5,67.7 31.74,67.94 31.74,69.635
  Top Layer w0.13: 30.45,83.85 30.875,83.425 30.875,82.275 31.175,81.975 31.8,81.975 31.925,81.85 31.925,78.375 31.125,77.575 31.125,76.5 31.925,75.7 31.925,74 31.075,73.15 31.075,70.3 31.74,69.635